# Altium PCB F103RCT6.PcbDoc (continued)
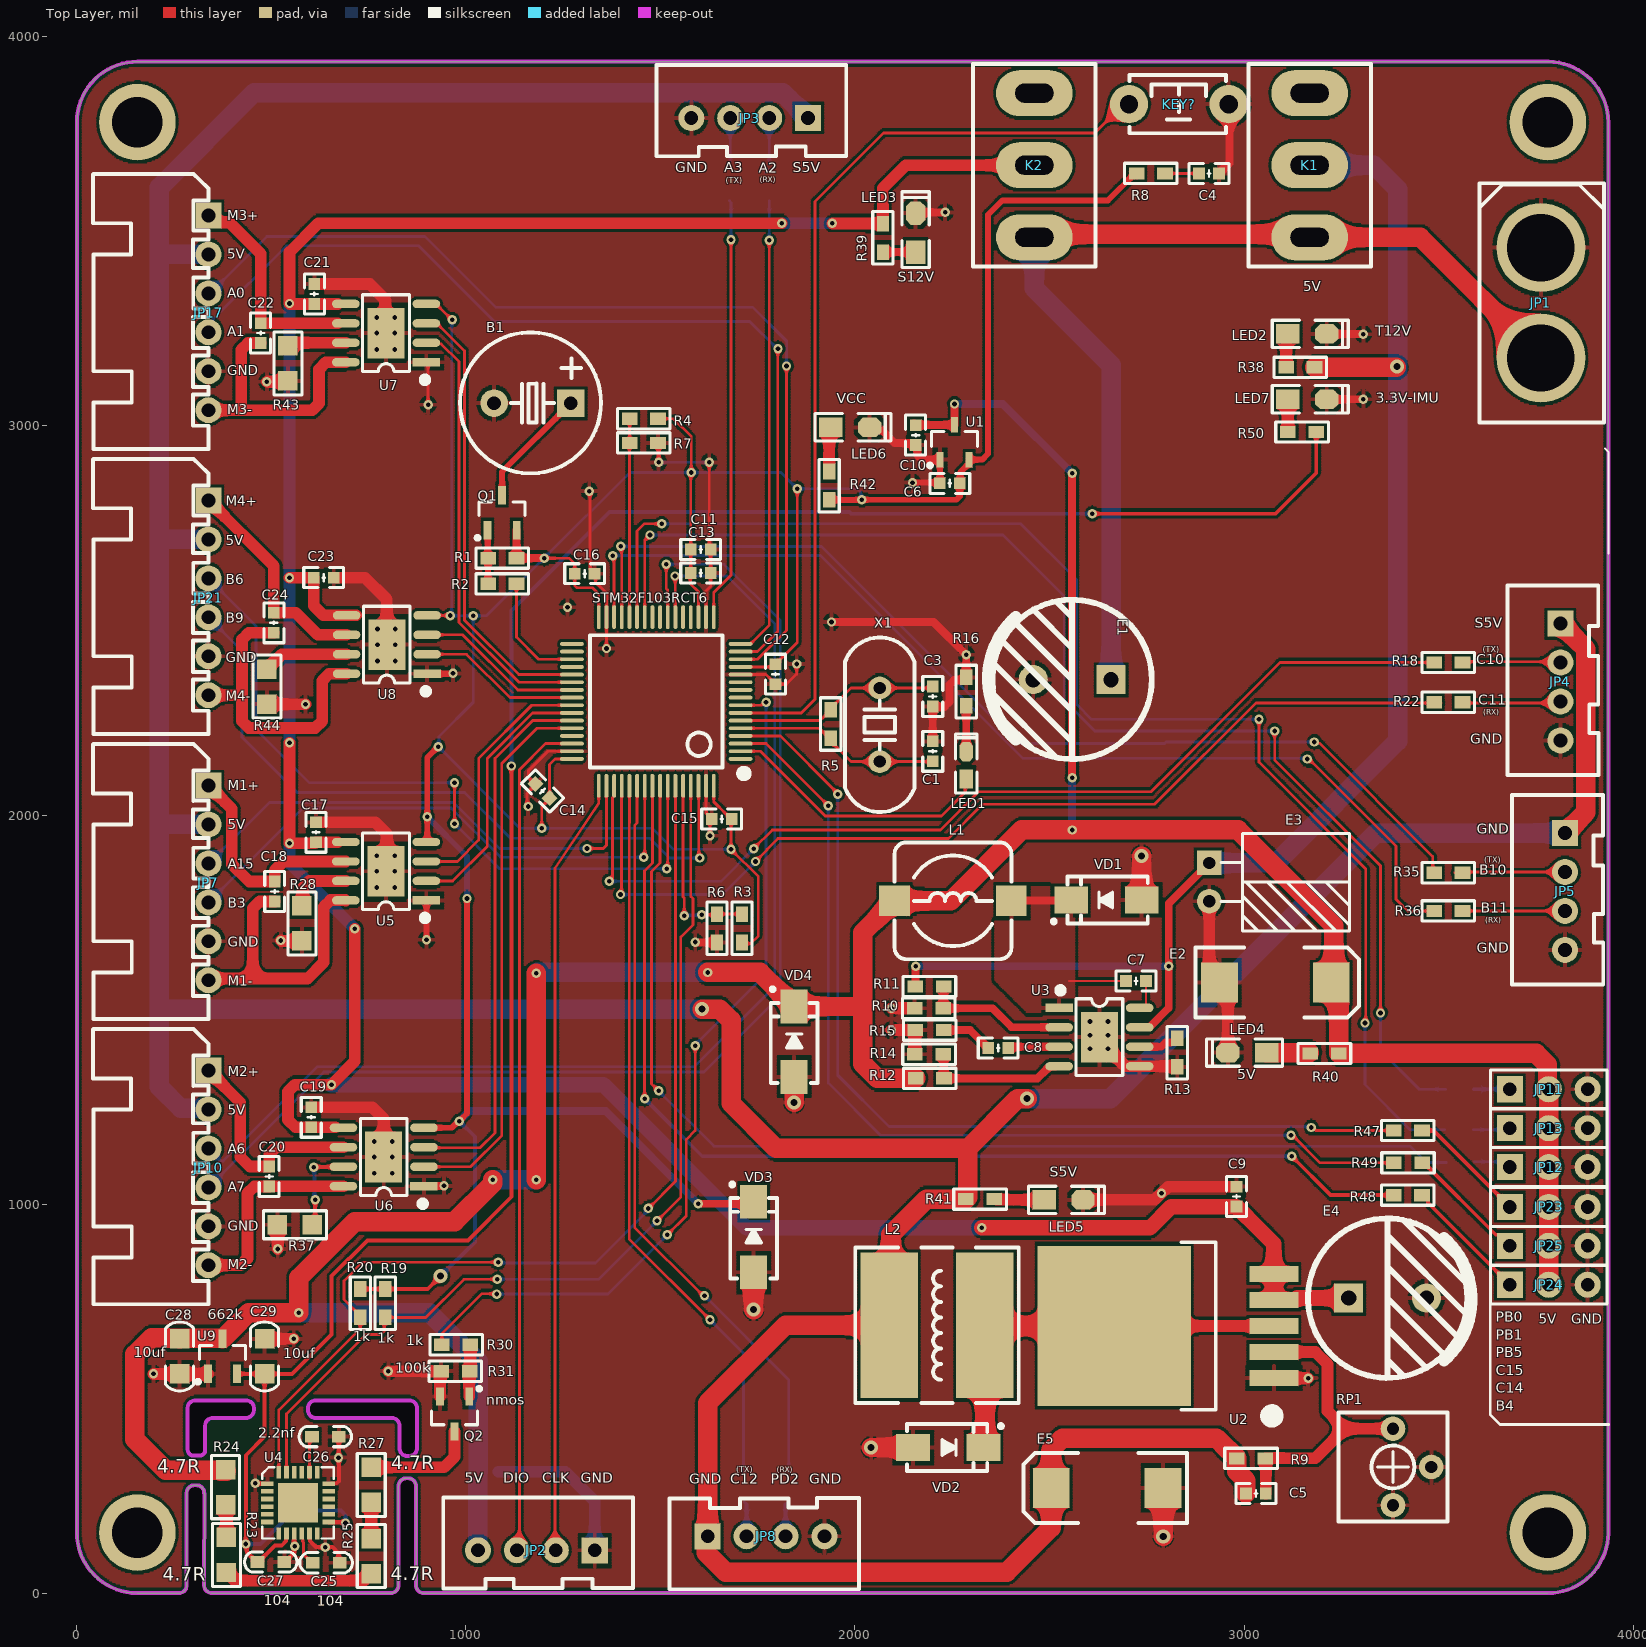
[diagram p0: Top Layer view]
## Nets (pads, with @x,y where several pads share a name; then routed paths per layer and width w, separated by ;. In a path a pad name is that pad's centre, name@x,y a point inside that pad or via, vN(x,y) a via of type N, cw(c..) or ccw(c..) an arc to the next point about the centre after c; other vN are vias at no path point)
3.3V_IMU: C27.2 C29.2 R50.2 U4.8 U4.13 U9.2 | length 5802.2
  Top Layer w10: U9.2 C29.2 ; U4.8 539.57,154.35 539.57,135.42 528.15,124 510.5,124 468.5,82 463.5,82 438.68,106.82 438.68,125.32 v1(436,128) 436,356 484,404 C29.2 ; U4.13 649.65,183.88 690.12,183.88 v1(692,182) ; v1(1118,2126) 1118,1020 1006,908 748,908 656,816 656,666 555,565 C29.2 ; v1(2610,2774) 3080,2774 3185,2879 R50.2
  Bottom Layer w10: v1(436,128) 474,128 560,214 680,214 692,202 v1(692,182) ; v1(1118,2126) 1118,2526 1370,2778 1986.11,2778 1990.11,2774 v1(2610,2774)
5V: C2.1 C10.2 C28.2 E2.1 JP2.4 JP11.2 JP12.2 JP13.2 JP23.2 JP24.2 JP25.2 L1.1 R12.2 R24.2 R40.2 U1.3 U9.3 VD4.2 | length 8957.3
  Top Layer w20: C10.2@2151.59,3006 C10.2 2156.71,3002.29 U1.3 v1(2256,3056) ; v1(2558,2096) v1(2558,2878)
  Top Layer w50: C28.2 264,657 237.29,657 235.86,658.43 194.43,658.43 151,615 151,397 230,318 368.36,318 371.36,315 R24.2@386,315 ; C28.2@266,657 U9.3@375.4,657 ; U9.3 443,722 v1(572,722) 572,812 716,956 972,956 1070,1054 v1(1070,1064) ; v1(1182,1064) v1(1182,1594) ; v1(1622,1596) 1756.55,1596 1825.69,1526.86 1834.55,1526.86 1844,1517.41 VD4.2 2018.55,1508.55 2020,1510 ; R12.2 2058,1324 2020,1362 2020,1510 ; E2.1 3230,1576.3 3230,1716 2984,1962 2428.19,1962 2246.19,1780 L1.1 2020,1698 2020,1510 ; E2.1@3242.5,1551.2 R40.2 3749.47,1388 3778.76,1358.71 3778.76,1299.24 JP11.2 JP13.2 JP12.2 JP23.2 JP25.2 JP24.2
  Bottom Layer w20: v1(2256,3056) 2380,3056 v1(2558,2878) ; v1(2558,1962) v1(2558,2096)
  Bottom Layer w50: v1(572,722) 908,722 1032.82,597.18 C2.1 ; JP2.4 C2.1@1032,310.82 ; v1(1070,1064) v1(1182,1064) ; v1(1182,1594) 1184,1596 v1(1622,1596)
12V: E1.1 JP1.1 K1.1 K2.1 | length 2702.3
  Top Layer w50: K2.1@2461,3483 2470,3492 3160,3492 K1.1 3452,3484 JP1.1 JP1.1@3762,3222.26
  Bottom Layer w50: K2.1 2461,3353 2658,3156 E1.1
BOOT0: R3.1 R6.2 STM32F103RCT6.60 | length 482.6
  Top Layer w7: STM32F103RCT6.60 1558.9,1790.47 1561.72,1787.66 v1(1561.72,1742) ; v1(1606.72,1744) 1644,1744 R6.2 R3.1@1708,1746
  Bottom Layer w7: v1(1561.72,1742) 1562.72,1743 1605.72,1743 v1(1606.72,1744)
FB: R12.1 R14.2 U3.4 | length 371.3
  Top Layer w20: R14.2 2228,1385 2228,1325 R12.1 2469.05,1324 2500.05,1355 U3.4
GND: B1.2 C1.2 C2.2 C3.2 C4.2 C6.1 C9.1 C10.1 C11.2 C12.2 C13.2 C14.2 C15.2 C16.2 C17.1 C19.1 C21.1 C23.1 C25.1 C26.1 C27.1 C28.1 C29.1 E1.2 E2.2 E3.2 E4.2 E5.2 JP1.2 JP2.1 JP3.4 JP4.4 JP5.4 JP7.5 JP8.4 JP10.5 JP11.3 JP12.3 JP13.3 JP17.5 JP21.5 JP23.3 JP24.3 JP25.3 KEY?.1 LED2.2 LED3.2 LED4.2 LED5.2 LED6.2 LED7.2 Q2.2 R6.1 R7.1 R10.2 R13.1 R14.1 R15.1 R16.1 R28.1 R31.1 R37.1 R43.1 R44.1 RP1.2 RP1.3 STM32F103RCT6.12 STM32F103RCT6.18 STM32F103RCT6.31 STM32F103RCT6.47 STM32F103RCT6.63 U1.1 U2.1 U3.5 U3.9 U4.1 U4.9 U4.11 U4.18 U5.1 U5.9 U6.1 U6.9 U7.1 U7.9 U8.1 U8.9 U9.1 VD1.1 VD2.1 VD3.1 VD4.1 | length 7895.3
  Top Layer w7: U7.1 904,3158.35 v1(904,3054) ; v1(1161,2022) 1157.75,2025.25 1157.75,2055.75 1172.87,2070.87 1179.81,2077.81 1162,2095.62 1162,2114 1212.06,2164.06 STM32F103RCT6.47 ; v1(1318,2832) 1320.09,2829.91 1320.09,2631.5 1334,2617.58 1334,2598 1362.05,2569.95 STM32F103RCT6.31 1362.05,2428.05 v1(1362,2428) ; STM32F103RCT6.63 1617.96,2004.46 C15.2@1625.59,1996.82 ; STM32F103RCT6.18 1617.96,2575.96 1629.59,2587.59 1629.59,2672 1621.59,2680 C11.2@1624,2682.41 ; v1(1626,2906) 1626,2685.59 C11.2 ; v1(1628,1947.16) 1628,1983.23 C15.2@1633.59,1988.82 ; STM32F103RCT6.12 1771.5,2360.91 C12.2 1824.41,2336.41 1850.5,2362.5 1850.5,2387.83 v1(1850.67,2388)
  Top Layer w10: v1(460,284) 460.39,283.61 490.87,283.61 U4.1 ; C27.1 537.5,82 559.76,104.26 559.76,120.34 v1(561.6,122.18) ; v1@559.96,125.96 559.96,155.06 U4.9 ; U4.11 600.43,154.35 600.43,135.42 615.85,120 658,120 673.86,104.14 673.86,83.14 C25.1 ; U4.18 649.65,284.12 669.14,284.12 675,289.98 C26.1 ; R7.1 1496,2954.5 v1(1496,2906)
  Top Layer w15: R37.1 R37.1@518,947 ; U5.1 900,1780.35 v1(900,1680) ; U8.1 967,2363 v1(968,2364) ; v1(2148,2854) 2216.4,2854 C6.1 ; C6.1@2218.6,2852 U1.1
  Top Layer w20: U6.9@808,1166 v1(812,1162) ; v1(818,3278) U7.9@826,3286 ; U6.1 893.85,1047.5 944.5,1047.5 v1(945,1048) ; v1(1590,1674) 1591,1673 R6.1 ; v1(1940,2496) 2202,2496 v1(2286,2412) 2286,2352.57 2280.25,2346.82 2254.82,2346.82 2243,2335 2243,2291 2230,2278 2201.23,2278 C3.2 C1.2 ; LED6.2 2046.36,2987.64 2070.36,2987.64 2102.59,2955.41 2151,2955.41 C10.1 2161,2945.41 2161,2924.89 2172.72,2913.17 U1.1@2217.46,2913.17 ; LED3.2 2158,3548 v1(2232,3548) ; C4.2 2962,3674.82 2962,3823.95 KEY?.1 ; LED7.2 v1(3306,3068) ; LED2.2@3212,3235.5 3305.5,3235.5 v1(3306,3235)
  Top Layer w30: v1(199,565) C28.1 U9.1 ; C29.1 v1(559,655) ; R44.1 v1(589,2285) ; v1(490,3113) 542,3113 R43.1 ; v1(518,886) R37.1@518,947 ; v1(526,1678) 527,1677 R28.1 ; C19.1 760.41,1249.59 790,1220 U6.9 ; C21.1 754,3364 794,3324 794,3240 U7.9 ; C17.1 768.41,1981.59 798,1952 798,1858 U5.9 ; C23.1 742,2610 798,2554 U8.9 U8.9@796,2440 ; v1(802,572) R31.1 ; Q2.2 934.6,571.25 R31.1@935.35,572 ; v1(2094,1448) R15.1@2153.75,1448 ; v1(2094,1504) R10.2 R10.2@2153.75,1503.75 ; R14.1 2153.75,1386.25 R15.1@2153.75,1448 ; R15.1 R15.1@2153.75,1448 ; LED5.2 2770.36,1012 v1(2787.36,1029) 2804.36,1046 C9.1 ; v1(2650,1400) 2650,1390.5 2660.5,1380 2670,1380 2695,1355 U3.5 2824.75,1355 R13.1@2828,1351.75 ; E3.2 2910,1596.3 2958,1548.3 LED4.2 ; U2.1 v1@3163.86,554.14
  Top Layer w50: VD3.1@1736,822 VD3.1 v2(1740,730) ; v2(1844,1262) VD4.1 ; v2(2042,376) VD2.1 ; VD1.1 v2(2736.55,1895) ; E5.2 2791.7,148.3 v2(2792,148)
  Bottom Layer w7: v1(1496,2906) v1(1626,2906)
  Bottom Layer w30: C2.2 1256,314 1332,238 JP2.1
  other v1: 640,120 674,350 3164,554 766,1080 812,1080 766,1122 812,1122 766,1162 2604,1400 2604,1435 2650,1435 2604,1470 2650,1470 772,1814 818,1814 772,1856 818,1856 772,1896 818,1896 774,2396 820,2396 774,2438 820,2438 774,2478 820,2478 1262,2534 772,3196 818,3196 772,3238 818,3238 772,3278
M1+: C18.2 JP7.1 U5.6 | length 575.8
  Top Layer w30: JP7.1 400,2016 400,1874 444.41,1829.59 C18.2 510,1858 533,1881 U5.6
M1-: C18.1 JP7.6 U5.8 | length 765.6
  Top Layer w30: JP7.6 344.46,1580.46 453.9,1580.46 ; C18.1 471.47,1778.41 453.9,1760.83 453.9,1580.46 ; U5.8 691.65,1782 653.57,1782 636,1764.43 636,1622 594.46,1580.46 453.9,1580.46
M2+: C20.2 JP10.1 U6.6 | length 569.8
  Top Layer w30: JP10.1 422,1262 422,1122 446.41,1097.59 C20.2 496,1129.43 513.58,1147 U6.6
M2-: C20.1 JP10.6 U6.8 | length 528.5
  Top Layer w30: JP10.6 422.43,844 440,861.57 440,1028.83 457.57,1046.41 C20.1 ; C20.1@496,1047 U6.8
M3+: C22.2 JP17.1 U7.6 | length 551.2
  Top Layer w30: JP17.1 357.28,3522.72 393.28,3522.72 474,3442 C22.2 U7.6@672.22,3263.59
M3-: C22.1 JP17.6 U7.8 | length 668.8
  Top Layer w30: JP17.6 428,3040 ; C22.1 441.57,3212.41 424,3194.83 424,3044 428,3040 ; U7.8 641.57,3163 624,3145.43 624,3057.57 606.43,3040 428,3040
M4+: C24.2 JP21.1 U8.6 | length 568.1
  Top Layer w30: JP21.1 508,2640 C24.2 564.41,2519.59 621,2463 U8.6
M4-: C24.1 JP21.6 U8.8 | length 780
  Top Layer w30: JP21.6 423.2,2308 426,2305.2 ; C24.1 443.57,2468.41 426,2450.83 426,2305.2 ; U8.8 649.57,2363 632,2345.43 632,2241.57 614.43,2224 443.57,2224 426,2241.57 426,2305.2
NetB1_1: B1.1 Q1.3 | length 309.1
  Top Layer w15: Q1.3 1094,2881.57 B1.1
NetC4_1: C4.1 R8.1 | length 87.5
  Top Layer w7: R8.1 C4.1
NetC5_1: C5.1 R9.1 RP1.1 U2.2 | length 784.5
  Top Layer w30: C5.1 3055.59,347.9 3054.75,348.75 3182.75,348.75 3258.43,424.43 ; U2.2 3182.93,621.07 3214,590 3214,468.85 3258.43,424.43 ; RP1.1 3258.43,424.43
NetC7_1: C7.1 L1.2 U3.1 VD1.2 | length 368.5
  Top Layer w6: 2549.88,1574 C7.1
  Top Layer w20: L1.2@2403,1781 VD1.2@2554.45,1781 ; U3.1 U3.1@2549.26,1505 ; VD1.2 2563.96,1782 VD1.2@2588.41,1757.55
  Top Layer w30: L1.2 L1.2@2403,1781 ; VD1.2@2554.45,1781 VD1.2
NetC7_2: C7.2 U3.8 | length 81
  Top Layer w6: U3.8 2740.36,1505 2747.59,1512.23 C7.2
NetC8_1: C8.1 R15.2 | length 133
  Top Layer w20: R15.2 2296.4,1448 C8.1
NetC8_2: C8.2 U3.3 | length 130.9
  Top Layer w20: C8.2@2393.75,1405 U3.3
NetC25_2: C25.2 U4.10 | length 94.5
  Top Layer w7: U4.10@582.25,162.4 582.25,134.16 584.1,132.31 584.1,101.4 605.5,80 C25.2
NetC26_2: C26.2 U4.20 | length 108.9
  Top Layer w7: 599.53,296.74 C26.2@599.53,405.66
NetJP3_2: JP3.2 R17.2 | length 130.8
  Bottom Layer w7: R17.2@1770,3650.5 R17.2@1778,3658.5 ; 1780,3670.5 JP3.2
NetJP3_3: JP3.3 R21.2 | length 128.8
  Bottom Layer w7: R21.2@1672,3664.5 1680,3672.5 JP3.3
NetJP4_2: JP4.2 R18.2 | length 234.3
  Top Layer w7: R18.2@3578.5,2394 3810,2394 JP4.2
NetJP4_3: JP4.3 R22.2 | length 235.2
  Top Layer w7: R22.2@3578.5,2288 3808,2288 JP4.3
NetJP5_2: JP5.2 R35.2 | length 284.3
  Top Layer w7: R35.2@3540.5,1852 3542.5,1854 JP5.2
NetJP5_3: JP5.3 R36.2 | length 277.5
  Top Layer w7: R36.2@3546.5,1754 JP5.3
NetJP8_2: JP8.2 R26.2 | length 90.5
  Bottom Layer w7: R26.2 R26.2@1722,230
  Bottom Layer w10: JP8.2 R26.2@1722,230
NetJP8_3: JP8.3 R29.2 | length 92.8
  Bottom Layer w7: R29.2@1822,229.5 R29.2
  Bottom Layer w10: JP8.3 R29.2@1822,229.5
NetJP11_1: JP11.1 R32.2 | length 91.5
  Bottom Layer w10: R32.2 JP11.1
NetJP12_1: JP12.1 R33.2 | length 100.1
  Top Layer w10: JP12.1@3680,1094 JP12.1
  Bottom Layer w7: R33.2 3668,1110 JP12.1
NetJP13_1: JP13.1 R34.2 | length 95.7
  Bottom Layer w7: R34.2 3678,1192 JP13.1
NetJP23_1: JP23.1 R47.2 | length 306.7
  Top Layer w10: R47.2 3486,1190 JP23.1
NetJP24_1: JP24.1 R48.2 | length 325.9
  Top Layer w10: R48.2 3460.75,1024 3471.5,1013.25 3471.5,1004.5 JP24.1
NetJP25_1: JP25.1 R49.2 | length 313.2
  Top Layer w10: R49.2 3461.25,1107 3645.79,922.46 3653.54,922.46 JP25.1
NetL2_1: L2.1 U2.3 VD2.2 | length 1050.8
  Top Layer w30: U2.3@2666,688 U2.3@3076,688
  Top Layer w50: VD2.2@2334.06,382 L2.1 2336.06,688 U2.3@2666,688
NetLED1_2: LED1.2 R16.2 | length 118
  Top Layer w20: LED1.2 R16.2
NetLED2_1: LED2.1 R38.1 | length 87.9
  Top Layer w8: LED2.1@3107.5,3231.5 LED2.1
  Top Layer w30: R38.1 LED2.1@3107.5,3231.5
NetLED3_1: LED3.1 R39.1 | length 84
  Top Layer w20: R39.1 LED3.1
NetLED4_1: LED4.1 R40.1 | length 110.9
  Top Layer w20: R40.1@3168.5,1389 R40.1
  Top Layer w50: LED4.1 R40.1@3167.5,1390
NetLED5_1: LED5.1 R41.1 | length 128.8
  Top Layer w30: R41.1 2362.25,1014 2364.25,1012 LED5.1
NetLED6_1: LED6.1 R42.1 | length 115.2
  Top Layer w30: R42.1 1934,2992 LED6.1
NetLED7_1: LED7.1 R50.1 | length 84
  Top Layer w30: R50.1 LED7.1
NetQ1_1: Q1.1 R1.1 R2.2 | length 138.6
  Top Layer w15: Q1.1 1057.3,2731.3 1057.3,2660.7 R1.1 R2.2
NetQ2_1: Q2.1 R30.2 R31.2 | length 135.2
  Top Layer w30: Q2.1 1009.4,571.25 1010.15,572 R31.2 1011.75,572 1012.5,572.75 R30.2
NetQ2_3: Q2.3 R27.2 | length 290.2
  Top Layer w30: R27.2 945,325 972,352 Q2.3
NetR10_1: R10.1 R11.2 U3.2 | length 375.1
  Top Layer w20: R11.2 2227.25,1559.25 2227.25,1504.75 R10.1 2353.63,1504 2402.63,1455 U3.2
NetR13_2: R13.2 U3.6 | length 103.1
  Top Layer w20: U3.6 2786.75,1405 2798,1416.25 2810.54,1416.25 2810.79,1416.5 2824,1416.5 R13.2@2828,1420.5
NetR23_1: R23.1 R25.1 | length 388.2
  Top Layer w30: R23.1 407,34 740,34 R25.1
NetR23_2: R23.2 R24.1 | length 90
  Top Layer w30: R23.2 R24.1@386,235
NetR25_2: R25.2 R27.1 | length 97.4
  Top Layer w7: R27.1@754,236 755,235 R27.1
  Top Layer w30: R25.2 R27.1
NetR28_2: R28.2 U5.7 | length 164.7
  Top Layer w30: R28.2@582,1767 582,1814 599,1831 U5.7
NetR37_2: R37.2 U6.7 | length 245.6
  Top Layer w10: R37.2@607,938 614,945 v1(614,1012) ; v1(610,1096) 610.5,1096.5 686.15,1096.5 U6.7
  Bottom Layer w10: v1(610,1096) 612,1094 612,1008 v1@614,1006
NetR43_2: R43.2 U7.7 | length 166.8
  Top Layer w7: R43.2@550,3210 R43.2@559,3201
  Top Layer w30: R43.2@544,3200 557,3213 U7.7
NetR44_2: R44.2 U8.7 | length 220.4
  Top Layer w30: R44.2 528,2413 U8.7
NRST: KEY?.2 STM32F103RCT6.7 | length 2393.7
  Top Layer w7: STM32F103RCT6.7 1862.28,2262.48 1897.5,2297.7 1897.5,3575.5 2074,3752 2616.05,3752 2690.05,3826 KEY?.2
OSCIN: C1.1 R5.2 STM32F103RCT6.5 X1.2 | length 534.3
  Top Layer w7: STM32F103RCT6.5 1908.64,2223.11 1932,2199.75 1932,2191.25 1944.25,2179 1948.5,2179 1989.99,2137.51 X1.2 2199.11,2137.51 C1.1
OSCOUT: C3.1 R5.1 STM32F103RCT6.6 X1.1 | length 534.7
  Top Layer w7: STM32F103RCT6.6 1910.55,2242.8 1932,2264.25 1932,2272.75 1944.25,2285 1948.5,2285 1989.99,2326.49 X1.1 2196.08,2326.49 C3.1
PA0: JP17.3 STM32F103RCT6.14 | length 2548.3
  Top Layer w7: STM32F103RCT6.14 1750.28,2400.28 1824.5,2474.5 v1(1824.5,3153.3)
  Bottom Layer w7: JP17.3 344,3340 490,3486 896,3486 1078,3304 1738,3304 1825,3217 1825,3188.68 1824.5,3188.18 v1(1824.5,3153.3)
PA1: JP17.4 STM32F103RCT6.15 | length 2520.1
  Top Layer w7: STM32F103RCT6.15 1750.16,2419.96 1802,2471.8 1802,3197.5 v1(1802.5,3198)
  Bottom Layer w7: JP17.4 351.47,3251.47 351.47,3273.47 540,3462 880,3462 1074,3268 1730,3268 1800,3198 v1(1802.5,3198)
PA2: R17.1 STM32F103RCT6.16 | length 1183.3
  Top Layer w7: STM32F103RCT6.16 1707.45,2440.58 1733.04,2440.58 1780,2487.53 v1(1780,3476)
  Bottom Layer w7: v1(1780,3476) R17.1
PA3: R21.1 STM32F103RCT6.17 | length 1089
  Top Layer w7: STM32F103RCT6.17 1637.64,2571.64 1682,2616 v1(1682,3478)
  Bottom Layer w7: R21.1 1682,3573.5 v1(1682,3478)
PA6: JP10.3 STM32F103RCT6.22 | length 2997.4
  Top Layer w7: v1(1538,2614) 1538.67,2613.33 1538.67,2509.07 STM32F103RCT6.22
  Bottom Layer w7: JP10.3 372.02,1111.98 377.81,1111.98 619.99,1354.16 1588.16,1354.16 1794.5,1560.5 1794.5,2490.92 1671.42,2614 v1(1538,2614)
PA7: JP10.4 STM32F103RCT6.23 | length 3125.2
  Top Layer w7: v1(1516,2644.03) 1515.5,2643.53 1515.5,2581.98 1519.53,2577.95 STM32F103RCT6.23
  Bottom Layer w7: JP10.4 636.16,1340.16 1612.16,1340.16 1808.5,1536.5 1808.5,2499.5 1663.97,2644.03 v1(1516,2644.03)
PA8: STM32F103RCT6.41 U5.3 | length 663.3
  Top Layer w7: U5.3 979,1881 1034,1936 1034,2146 1170.17,2282.17 STM32F103RCT6.41
PA9: STM32F103RCT6.42 U5.2 | length 685.3
  Top Layer w7: U5.2 967,1831 1056,1920 1056,2146 1172.48,2262.48 STM32F103RCT6.42
PA10: STM32F103RCT6.43 U6.3 | length 1398.4
  Top Layer w7: U6.3 894.35,1146 1038,1146 1076,1184 1076,2146 1172.8,2242.8 STM32F103RCT6.43
PA11: STM32F103RCT6.44 U6.2 | length 1406.5
  Top Layer w7: U6.2 1013,1097 1093.5,1177.5 1093.5,2133.32 1183.29,2223.11 STM32F103RCT6.44
PA15: JP7.3 STM32F103RCT6.50 | length 1292
  Top Layer w7: v1(1312,1914.5) 1353.9,1914.5 1362.05,1922.65 STM32F103RCT6.50
  Bottom Layer w7: JP7.3 496.5,2032.5 969.12,2032.5 1087.12,1914.5 v1(1312,1914.5)
PB0: R32.1 STM32F103RCT6.26 | length 3327.9
  Top Layer w7: STM32F103RCT6.26 1460.48,2705.88 v1(1474,2719.4) ; v1(3078,2216) 3078,2142 3350,1870 v1(3350,1492)
  Bottom Layer w7: v1(1474,2719.4) 2380.6,2719.4 2538,2562 2538,2294 2616,2216 v1(3078,2216) ; v1(3350,1492) 3350,1395.46 3449.46,1296 R32.1
PB1: R34.1 STM32F103RCT6.27 | length 3526.8
  Top Layer w7: STM32F103RCT6.27 1440.79,2729.84 1458.95,2748 v1(1504,2748) ; v1(3038,2246) 3038,2136 3312,1862 3312,1468 v1(3310,1466)
  Bottom Layer w7: v1(1504,2748) 2426,2748 2570,2604 2570,2284 2608,2246 v1(3038,2246) ; v1(3310,1466) 3310,1308 3426,1192 R34.1
PB2: R4.1 R7.2 STM32F103RCT6.28 | length 505.9
  Top Layer w7: STM32F103RCT6.28 R7.2@1421.11,2952.39 ; R7.2 R4.1
PB3: JP7.4 STM32F103RCT6.55 | length 1455.4
  Top Layer w7: v1(1458,1892) 1460.48,1894.48 STM32F103RCT6.55
  Bottom Layer w7: JP7.4 582.5,2018.5 963.32,2018.5 1089.82,1892 v1(1458,1892)
PB4: R48.1 STM32F103RCT6.56 | length 2838.3
  Top Layer w7: v1(1460,1272) 1460,1856.9 1480.5,1877.4 1480.5,1967.46 1480.16,1967.8 STM32F103RCT6.56
  Top Layer w10: v1(3122,1124) 3222,1024 R48.1
  Bottom Layer w10: v1(1460,1272) 1608,1124 v1(3122,1124)
PB5: R33.1 STM32F103RCT6.57 | length 2899.3
  Top Layer w7: v1(1496,1292) 1478,1310 1478,1855.1 1499.85,1876.95 STM32F103RCT6.57
  Bottom Layer w7: v1(1496,1292) 1638,1150 3426,1150 3468,1108 R33.1@3519.12,1108
PB6: JP21.3 STM32F103RCT6.58 | length 1918
  Top Layer w7: v1(972,1978) v1(972,2083.5) ; v1(1516.72,1862) 1519.5,1864.78 1519.5,1919.2 ; 1519.53,1919.23 STM32F103RCT6.58
  Bottom Layer w7: JP21.3 462,2486 462,2220 598.5,2083.5 v1(972,2083.5) ; v1(972,1978) 1088,1862 v1(1516.72,1862)
PB7: R20.2 STM32F103RCT6.59 U4.24 | length 2579.3
  Top Layer w7: U4.24@520.79,306 U4.24 520.79,472.79 730,682 R20.2 730,714.25 688,756.25 688,804 736,852 v1(1084,852) ; v1(1469.5,990) 1539.22,1059.72 STM32F103RCT6.59
  Bottom Layer w7: v1(1084,852) 1086,850 1334,850 1469.5,985.5 v1(1469.5,990)
PB8: R19.2 STM32F103RCT6.61 U4.23 | length 2488
  Top Layer w7: U4.23@540.47,308 U4.23 540.47,462.47 744,666 782,666 791.6,675.6 791.6,707.6 R19.2 898,710 996,808 v1(1082,808) ; v1(1492,958) 1553.22,1019.22 1553.22,1687.22 1584.22,1718.22 1584.22,1785.69 1578.59,1791.32 STM32F103RCT6.61
  Bottom Layer w7: v1(1082,808) 1342,808 v1(1492,958)
PB9: JP21.4 STM32F103RCT6.62 | length 1835.1
  Top Layer w7: STM32F103RCT6.62 1598.81,2074.95 1598.81,1893.19 v1(1602,1890)
  Bottom Layer w7: JP21.4 426,2422 426,2200 568,2058 998,2058 1115,1941 1473,1941 1524,1890 v1(1602,1890)
PB10: R35.1 STM32F103RCT6.29 | length 2649.8
  Top Layer w7: v1(1398.61,2690.14) 1401.02,2687.73 1401.02,2649.64 1401.42,2649.24 STM32F103RCT6.29 ; v1(3180,2188) 3183.25,2184.75 3193.25,2184.75 3484,1894 R35.1@3484,1845.5
  Bottom Layer w7: v1(1398.61,2690.14) 1913.86,2690.14 2420,2184 2795.7,2184 2799.7,2188 v1(3180,2188)
PB11: R36.1 STM32F103RCT6.30 | length 2712.3
  Top Layer w7: v1(1378.52,2666.53) 1381.19,2663.86 1381.19,2509.07 STM32F103RCT6.30 ; v1(3162,2144) 3166.6,2144 3390,1920.6 3390,1784 3420,1754 R36.1@3473.5,1754
  Bottom Layer w7: v1(1378.52,2666.53) 1911.47,2666.53 2432,2146 3160,2146 v1(3162,2144)
PB14: R2.1 STM32F103RCT6.35 | length 303
  Top Layer w7: R2.1 1131,2457 1187.72,2400.28 STM32F103RCT6.35
PC0: R30.1 STM32F103RCT6.8 | length 2254.6
  Top Layer w7: R30.1 939.5,668.66 1041.52,770.68 1079.32,770.68 v1(1080,770) ; v1(1518,922) 1567.22,971.22 1567.22,1167.22 1590,1190 v1(1590,1408) ; STM32F103RCT6.8 1759.57,2282.17 1767.4,2290 v1(1772,2290)
  Bottom Layer w7: v1(1080,770) 1366,770 v1(1518,922) ; v1(1590,1408) 1590,1410 1772,1592 v1(1772,2290)
PC6: STM32F103RCT6.37 U7.3 | length 1153.2
  Top Layer w7: U7.3 927,3263 997.5,3192.5 997.5,2500.5 1137.09,2360.91 STM32F103RCT6.37
PC7: STM32F103RCT6.38 U7.2 | length 1127.6
  Top Layer w7: U7.2 901.9,3210.44 937.56,3210.44 983.5,3164.5 983.5,2494.7 1136.98,2341.22 STM32F103RCT6.38
PC8: STM32F103RCT6.39 U8.3 | length 430.7
  Top Layer w7: U8.3 993,2463 1134.46,2321.54 STM32F103RCT6.39
PC9: STM32F103RCT6.40 U8.2 | length 418.2
  Top Layer w7: U8.2 1003,2413 1114.15,2301.85 STM32F103RCT6.40
PC10: R18.1 STM32F103RCT6.51 | length 2600.8
  Top Layer w7: v1(1369.5,1830) 1372,1830 1377.47,1835.47 1377.47,2044.87 1381.74,2049.13 STM32F103RCT6.51 ; v1(1740,1914) 1788,1962 2220,1962 2318,2060 2760,2060 3092,2392 R18.1@3485.5,2392
  Bottom Layer w7: v1(1369.5,1830) 1656,1830 v1(1740,1914)
PC11: R22.1 STM32F103RCT6.52 | length 2593.3
  Top Layer w7: v1(1398,1796) 1400.88,1798.88 1400.88,2074.95 STM32F103RCT6.52 ; v1(1744.91,1880.91) 1774.23,1910.23 1774.23,1912.13 1802.1,1940 2240,1940 2328,2028 2770,2028 3030,2288 R22.1@3505.5,2288
  Bottom Layer w7: v1(1398,1796) 1660,1796 v1(1744.91,1880.91)
PC12: R26.1 STM32F103RCT6.53 | length 1889.1
  Top Layer w7: STM32F103RCT6.53 1421.11,1980.01 1420.5,1979.41 1420.5,911.5 v1(1628,704)
  Bottom Layer w7: v1(1628,704) 1714,618 1714,311 R26.1
PC13: LED1.1 STM32F103RCT6.2 | length 705.6
  Top Layer w7: STM32F103RCT6.2 1757.94,2164.06 1924,1998 2222,1998 2283.56,2059.56 2283.56,2090.37 LED1.1
PC14: R49.1 STM32F103RCT6.3 | length 2540.6
  Top Layer w7: STM32F103RCT6.3 1772.26,2183.74 v1(1932,2024) ; v1(3120,1178) 3124,1178 3195,1107 R49.1
  Bottom Layer w7: v1(1932,2024) 1932,1312 2066,1178 v1(3120,1178)
PC15: R47.1 STM32F103RCT6.4 | length 2520.9
  Top Layer w7: STM32F103RCT6.4 1808.57,2203.43 1956,2056 v1(1956,2054) ; v1(3172,1198) 3176.6,1198 3184.6,1190 R47.1
  Bottom Layer w7: v1(1956,2054) 1956,1332 2087.5,1200.5 3169.5,1200.5 v1(3172,1198)
PD2: R29.1 STM32F103RCT6.54 | length 1934
  Top Layer w7: STM32F103RCT6.54 1440.79,1979.9 1434.5,1973.61 1434.5,941.12 1606.94,768.68 1611.32,768.68 v1(1614,766)
  Bottom Layer w7: v1(1614,766) 1830,550 R29.1
S5V: C5.2 E5.1 JP3.1 JP4.1 JP5.1 JP7.2 JP8.1 JP10.2 JP17.2 JP21.2 L2.2 R9.2 R41.2 | length 12695
  Top Layer w50: v2(1608,1502) 1652.71,1502 1682,1472.71 1682,1260 1798,1144 2255.71,1144 2290,1144 ; v2(2442.31,1272) 2418,1272 2290,1144 ; C5.2 3004.41,291.3 2981,314.71 R9.2 2928.67,400.33 2533.59,400.33 2504.3,371.04 2504.3,170.3 2390,56 1668,56 1618,106 1618,144 JP8.1 1622,490 1822,690 L2.2 2092.72,694.72 2092.72,922.72 2184,1014 R41.2 2290,1019 2290,1144 ; JP4.1 3877.46,2426.54 3877.46,2007.46 JP5.1
  Bottom Layer w50: 235.29,1502 v2(1608,1502) ; 235.29,3440 JP17.2 ; JP10.2 336.76,1247.24 268.76,1247.24 214,1302 214,1982 ; JP7.2 220,1976 214,1982 ; JP21.2 216,2708 214,2706 ; JP3.1 1814.54,3855.46 457.46,3855.46 214,3612 214,2706 ; v2(2442.31,1272) 2656,1272 3338,1954 JP5.1 ; 214,1982 214,2706
S12V: C9.2 C17.2 C19.2 C21.2 C23.2 E4.1 K2.2 R39.2 U2.4 U2.5 U5.5 U6.5 U7.5 U8.5 | length 8091.2
  Top Layer w20: U6.5@686.34,1197.32 U6.5 ; v1(1942,3520) v1@1942.5,3519.5 ; R39.2@2071.5,3519.5 R39.2
  Top Layer w30: v1(548,2186) v1(548,1928) 613.58,1928 C17.2 U5.5@672.22,1930.41 ; v1(548,2610) C23.2 610,2609.59 610,2538 635,2513 U8.5 U8.5@719.26,2513 ; U6.5@666.22,1198.41 C19.2 563.59,1198.41 544,1218 544,1290 562,1308 v1(656,1308) 716,1368 v1(716,1708) ; U7.5@672.22,3312.82 C21.2 549.18,3312.82 v1(548,3314) 548,3446 622,3520 v1(1812,3520) ; v1@1942.5,3519.5 R39.2@2071.5,3519.5 ; R39.2 2072,3610 2131.04,3669.04 K2.2
  Top Layer w40: v1(2326,940) 2757.75,940 2812.57,994.82 C9.2 3076,898.82 U2.5 U2.4 3076.67,755.6 3132.05,755.6 3136.45,760 E4.1
  Bottom Layer w30: v1(548,1928) 548,1876 v1(716,1708) ; v1(548,2186) v1(548,3314) ; v1(1812,3520) v1(1942,3520)
  Bottom Layer w40: v1(656,1308) 1354,1308 1722,940 v1(2326,940)
SWCLK: JP2.2 STM32F103RCT6.49 | length 1998.7
  Top Layer w7: JP2.2 1230,114 1230,1863.85 1342.37,2030.24 STM32F103RCT6.49
SWDIO: JP2.3 STM32F103RCT6.46 | length 2170
  Top Layer w7: JP2.3 1138.5,118.5 1138.5,2116.5 1205.74,2183.74 STM32F103RCT6.46
T12V: E3.1 K1.2 R11.1 R38.2 U3.7 | length 3705.4
  Top Layer w20: R11.1 2155.5,1560.5 2155.5,1611.5 v1(2156,1612) ; U3.7 2731.89,1455.54 2756.49,1455.54 2806,1505.05 v1(2806,1612) 2806,1773.21 E3.1
  Top Layer w50: R38.2 v2@3390,3150
  Bottom Layer w20: v1(2156,1612) v1(2806,1612)
  Bottom Layer w50: E3.1 3081.21,1877.21 3394,2190 3394,3608 3332.96,3669.04 K1.2
  other v2: 3392,3152
VCC: C6.2 C11.1 C12.1 C13.1 C14.1 C15.1 C16.1 Q1.2 R1.2 R3.2 R4.2 R8.2 R19.1 R20.1 R42.2 STM32F103RCT6.13 STM32F103RCT6.19 STM32F103RCT6.32 STM32F103RCT6.48 STM32F103RCT6.64 U1.2 U5.4 U6.4 U7.4 U8.4 VD3.2 | length 9919.6
  Top Layer w7: U7.4 924.48,3313 965.48,3272 v1(966,3272) ; U8.4 901.6,2512.75 960.75,2512.75 v1(961,2512.5) ; v1(1196,1966) 1196,2022 1216,2042 C14.1 1216,2130 1230.37,2144.37 STM32F103RCT6.48 ; v1(1202,2660) 1266,2660 1280.41,2645.59 C16.1 1280.41,2589.59 1286,2584 1326,2584 1342.37,2567.63 STM32F103RCT6.32 ; R4.2 1534,3018 1580,2972 v1(1580,2880) 1578.41,2878.41 C11.1 C13.1 1577,2620.59 1577,2595 1598.27,2573.73 STM32F103RCT6.19 ; C13.1@1570.82,2622 C13.1@1571.4,2621.42 ; STM32F103RCT6.64 1637.64,2034.36 C15.1@1669,2003 ; C15.1 1682,1988.41 v1(1682,1912) 1752,1842 1752,1690 1732.15,1670.15 1713.15,1670.15 1713,1670 R3.2 ; STM32F103RCT6.13 1789,2380.59 C12.1 1852,2443.6 v1(1852,2838) ; R42.2 R42.2@1937.91,2805.59
  Top Layer w10: R20.1 R19.1 903,783 v2(936,816)
  Top Layer w15: U6.4 964.56,1197 981.56,1214 v1(984,1214) 1004,1234 v1(1004,1786) ; U5.4 902,1933.65 v1(902,1996) 902,2148 v1(930,2176) ; R42.2@1937.91,2805.59 1942.08,2809.75 2017.75,2809.75 v1(2018,2810) 2260.8,2810 2269.59,2818.79 C6.2 C6.2@2273.58,2848 ; C6.2@2270,2852 2270.71,2852.71 2270.71,2880.71 2290.81,2900.81 2292.04,2900.81 2293.4,2902.17 U1.2 2327,2913 2342,2928 2342,3542 2378.88,3578.88 2650.13,3578.88 2719.25,3648 R8.2
  Top Layer w20: R1.2 v1(1202,2660) ; R1.2@1131.4,2660.4 Q1.2 ; v1(1598,1002) 1734.9,1002 VD3.2
  Bottom Layer w7: v1(961,2512.5) 964.5,2512.5 965,2513 965,3271 v1(966,3272) ; v1@966,2512 966.25,2512.25 1019.75,2512.25 v1(1020,2512) ; v1(1682,1912) 1681.5,1912.5 1533.5,1912.5 1480,1966 v1(1196,1966) 1140,1966 v1(930,2176) 932,2178 932,2202 1020,2290 v1(1020,2512) ; v1(2018,2810) 2014.75,2813.25 2014.75,2831.25 2008,2838 v1(1852,2838) 1810,2880 v1(1580,2880) 1422,2880 v1(1202,2660) 1054,2512 v1(1020,2512)
  Bottom Layer w10: v2(936,816) 1024,904 1024,1174 v1(984,1214)
  Bottom Layer w15: v1(902,1996) 1004,1894 v1(1004,1786)
  Bottom Layer w20: v1(984,1214) 1010,1240 1360,1240 v1(1598,1002)
pads on no net: K1.3 K2.3 STM32F103RCT6.1 STM32F103RCT6.9 STM32F103RCT6.10 STM32F103RCT6.11 STM32F103RCT6.20 STM32F103RCT6.21 STM32F103RCT6.24 STM32F103RCT6.25 STM32F103RCT6.33 STM32F103RCT6.34 STM32F103RCT6.36 STM32F103RCT6.45 U4.2 U4.3 U4.4 U4.5 U4.6 U4.7 U4.12 U4.14 U4.15 U4.16 U4.17 U4.19 U4.21 U4.22 U4.25

## Polygon pours and split planes (outlines as drawn)
GND on Top Layer "GND_L01_P003" (hatched Horizontal grid 4 track 5, remove dead copper, pour order 3): 156,2 264.01,2 ccw(c264.01,22) 284.01,22 284,258 284,259 cw(c304,259) 304,279 309,279 cw(c309,259) 329,259 330,258 329,22 ccw(c349,22) 349,2 808,2 ccw(c808,22) 828,22 827.99,277 cw(c847.99,277) 847.99,297 852.99,297 cw(c852.99,277) 872.99,277 872.99,22 ccw(c892.99,22) 892.99,2 3778.98,1.99 ccw(c3779.53,157.48) 3935.01,156 3935.01,3778.97 ccw(c3779.52,3779.53) 3781.01,3935.01 158.03,3935.01 ccw(c157.48,3779.52) 2,3781.01 2,158.03 ccw(c157.49,157.48)
NetC7_1 on Top Layer "NETC7_1_L01_P002" (hatched Horizontal grid 4 track 5, remove dead copper, pour order 2): 2561.64,1493.45 2564,1495.81 2564,1816 2362,1816 2360,1814 2360,1576 2444,1492
GND on Bottom Layer "GND_L02_P004" (hatched Horizontal grid 4 track 5, remove dead copper, pour order 4): 156,2 264.01,2 ccw(c264.01,22) 284.01,22 284,258 284,259 cw(c304,259) 304,279 309,279 cw(c309,259) 329,259 330,258 329,22 ccw(c349,22) 349,2 808,2 ccw(c808,22) 828,22 827.99,277 cw(c847.99,277) 847.99,297 852.99,297 cw(c852.99,277) 872.99,277 872.99,22 ccw(c892.99,22) 892.99,2 3778.98,1.99 ccw(c3779.53,157.48) 3935.01,156 3935.01,3778.97 ccw(c3779.52,3779.53) 3781.01,3935.01 158.03,3935.01 ccw(c157.48,3779.52) 2,3781.01 2,158.03 ccw(c157.49,157.48)

## Keep-outs
Keep-Out Layer:
  lines w10: 284,258 284,22 cw(c264.01,22) 264.01,2 156,2 cw(c157.48,157.48) 1.99,158.03 2,3781.01 cw(c157.48,3779.53) 158.03,3935.01 3781.01,3935.01 cw(c3779.53,3779.53) 3935.01,3778.98 ; 284,259 cw(c304,259) 304,279 309,279 cw(c309,259) 329,259 ; 330,258 329,22 ccw(c349,22) 349,2 808,2 ccw(c808,22) 828,22 827.99,276 ; 827.99,277 cw(c847.99,277) 847.99,297 852.99,297 cw(c852.99,277) 872.99,277 ; 830.49,374 ccw(c850.49,374) 850.49,354 855.49,354 ccw(c855.49,374) 875.49,374 ; 830.49,376 830.49,432 ccw(c810.49,432) 810.49,452 615.49,452 cw(c615.49,472) 595.49,472 595.49,477 cw(c615.49,477) 615.49,497 855.49,497 cw(c855.49,477) 875.49,477 875.49,376 ; 872.99,276 872.99,22 ccw(c892.99,22) 892.99,2 3778.98,1.99 ccw(c3779.53,157.48) 3935.01,156 3935.01,3778.97 ; 286.5,477 cw(c306.5,477) 306.5,497 436.5,497 cw(c436.5,477) 456.5,477 456.5,472 cw(c436.5,472) 436.5,452 351.5,452 ccw(c351.5,432) 331.5,432 331.5,369.42 cw(c317.08,369.42) 317.08,355 302.07,355 cw(c302.07,370.5) 286.57,370.5 286.5,477

## Silkscreen, mask and mechanical layers (free items; w line width, h text height)
Top Overlay:
  lines w5: 3926,2942 3936,2932 3936,2672
  lines w7: 3632,746 3632,460 3657,435 3936,435
  text "GND" at 1538.59,3641.65 h45
  text "A3" at 1664.48,3641.65 h45
  text "S5V" at 1840.59,3641.65 h45
  text "A2" at 1752.68,3641.15 h45
  text "(RX)" at 1756,3620.53 h24
  text "(TX)" at 1668.41,3617.8 h25
  text "M3+" at 388,3528 h25
  text "5V" at 388,3428.47 h25
  text "S12V" at 2110,3360.5 h45
  text "5V" at 3152,3346 h25
  text "A0" at 388,3328.82 h25
  text "A1" at 388,3230.17 h25
  text "T12V" at 3336,3222 h45
  text "GND" at 388,3129.65 h25
  text "3.3V-IMU" at 3338,3050.5 h45
  text "VCC" at 1954.04,3048.5 h45
  text "M3-" at 388,3030 h25
  text "M4+" at 384,2794 h25
  text "5V" at 384,2693.43 h25
  text "B6" at 384,2593.23 h25
  text "B9" at 384,2494.15 h25
  text "S5V" at 3592.01,2472.5 h45
  text "(TX)" at 3612,2412.71 h25
  text "GND" at 384,2393.08 h25
  text "C10" at 3596,2378.5 h45
  text "M4-" at 384,2294 h25
  text "C11" at 3601.49,2274.22 h45
  text "(RX)" at 3614,2252.53 h24
  text "GND" at 3580.77,2174.5 h45
  text "M1+" at 390,2064 h25
  text "5V" at 390,1963.18 h25
  text "GND" at 3596.59,1943.65 h45
  text "(TX)" at 3616,1872.71 h25
  text "A15" at 390,1862.73 h25
  text "B10" at 3604,1838.5 h45
  text "B3" at 390,1762.28 h25
  text "B11" at 3608,1740 h45
  text "(RX)" at 3619.46,1719.08 h24
  text "GND" at 390,1661.45 h25
  text "GND" at 3596.59,1637.65 h45
  text "M1-" at 390,1562 h25
  text "M2+" at 390,1330 h25
  text "5V" at 2982,1312.5 h45
  text "5V" at 390,1230.25 h25
  text "A6" at 390,1130.88 h25
  text "S5V" at 2500,1062.5 h45
  text "A7" at 390,1032.62 h25
  text "GND" at 390,932.38 h25
  text "M2-" at 390,834 h25
  text "662k" at 338,696.5 h45
  text "5V" at 3756,694 h25
  text "GND" at 3840,694 h25
  text "PB0" at 3646.08,690.5 h45
  text "PB1" at 3646.08,644.23 h45
  text "1k" at 712,640 h45
  text "1k" at 774,636 h45
  text "1k" at 848,630 h45
  text "PB5" at 3646.08,598.96 h45
  text "10uf" at 148,598.5 h45
  text "10uf" at 532,596.5 h45
  text "100k" at 820,558.5 h45
  text "C15" at 3646.08,553.19 h45
  text "C14" at 3646.08,507.42 h45
  text "nmos" at 1054,476.46 h45
  text "B4" at 3646.08,461.15 h45
  text "2.2nf" at 467.96,392 h45
  text "4.7R" at 810,308 h60
  text "(TX)" at 1696,306.71 h25
  text "(RX)" at 1799.46,307.08 h24
  text "4.7R" at 208,300 h60
  text "5V" at 998,276.5 h45
  text "DIO" at 1097.33,276.5 h45
  text "CLK" at 1196.67,276.5 h45
  text "GND" at 1296,276.5 h45
  text "GND" at 1574.59,273.65 h45
  text "C12" at 1680,274.5 h45
  text "PD2" at 1784,274 h45
  text "GND" at 1882.59,273.65 h45
  text "4.7R" at 808,24 h60
  text "4.7R" at 222,22 h60
  text "104" at 482,-37.5 h45
  text "104" at 618,-39.5 h45
Bottom Overlay:
  text "Design   by   黄鹏杰" at 976,3252 h240